# Allegro board SG2042_EVB_V1_1.brd (continued)
## Routing (per net, layer and track width the routed paths; a pad name or vN(x,y) marks a point on that pad's centre or on a via; arc(x,y) is an arc through that point) (continued)
  ART03 w0.381: 63.8,45.82 63.8,98.04 v1(63.53,98.32) ; v1(60.38,151.33) 21.49,151.33 v1(20.07,152.76)
  ART10 w0.254: v1(58.8,40.92) 62.36,44.48 62.36,64.24 v1(62.94,64.82)
  ART10 w0.381: v1(60.38,151.33) 60.38,109.32 63.32,106.38 63.32,98.53 v1(63.53,98.32)
  BOTTOM w0.381: FB2017.1 C3291.2 v1(20.07,152.76)
  vias: v1(58.8,43.51) v1(58.8,42.65) v1(58.8,41.78)
DDR23_VPP_2V5_H: length 5.9
  TOP w0.102: U59.4 52.62,48.91 52.62,48.62 53.02,48.21 57,48.21 57.1,48.31 R662.1
DDR23_VTT_0V6: length 11.5
  TOP w0.102: U57.5 53.77,107.99 53.77,107.81 54.28,107.31 54.63,107.31 54.98,106.96 55.7,106.96 55.8,106.86 R658.2
  TOP w0.254: 65.52,104.87 J3.77 ; J3.77 66.18,104.21 ; J3.77 66.85,104.87 ; 69.98,104.21 J3.221 ; J3.221 69.32,104.87 ; J3.221 70.65,104.87 ; J4.221 80.04,104.87 ; J4.221 79.38,104.21 ; J4.221 78.72,104.87 ; 75.58,104.21 J4.77 ; J4.77 74.92,104.87 ; J4.77 76.24,104.87
DDR23_VTT_0V6_H: length 8.9
  TOP w0.102: U57.4 54.12,107.99 54.12,107.76 54.36,107.52 54.71,107.52 55.07,107.16 55.7,107.16 55.8,107.26 R658.1
  TOP w0.254: U56.3 55.19,112.93 55.45,112.67
  TOP w0.508: 55.45,112.67 55.8,112.32 R660.2 C1535.1 C1536.1 C1537.1 R658.1
DDR_MPS_ALERT: length 13
  TOP w0.102: R1353.2 v1(229.36,203.38) 229.36,203.38 U53.15 ; J2014.3 TP13.1
  ART03 w0.102: v1(229.36,203.38) 229.13,203.38 224.87,207.65 J2014.3
DDR_MPS_SCL: length 11.2
  TOP w0.102: J2014.2 TP12.1 ; R1354.2 v1(228.5,203.38) 228.96,203.84 U53.14
  ART03 w0.102: v1(228.5,203.38) 226.77,205.1 J2014.2
DDR_MPS_SDA: length 10.2
  TOP w0.102: R1355.2 v1(227.63,203.38) 228.56,204.3 U53.13 ; T72.1 J2014.1
  ART03 w0.102: v1(227.63,203.38) 224.23,203.38 J2014.1
DDR_VDD_0V8: length 200.5
  TOP w0.102: U45.5 124.37,38.43 124.71,38.43 124.79,38.35 125.5,38.35 125.63,38.48 R416.2
  TOP w0.254: R394.2 126.16,41.4
  TOP w0.381: U1.AV13 v1(121.97,96.15) ; v1(122.97,114.15) U1.AA14 U1.AB15 ; U1.V13 v1(121.97,117.15) ; U1.AN43 v1(152.97,101.15) ; U1.AK42 v1(151.97,104.15) ; U1.AF44 v1(153.97,109.15) ; U1.V42 v1(151.97,117.15) ; U1.P15 v1(123.97,121.15) ; U1.AU14 v1(122.97,97.15) ; U1.AK15 v1(123.97,104.15) ; U1.P42 v1(151.97,121.15) ; U1.AD13 v1(121.97,111.15) ; U1.AR14 v1(122.97,99.15) ; U1.V15 v1(123.97,117.15) ; U1.K15 v1(123.97,125.15) ; U1.AY13 v1(121.97,94.15) ; U1.AH44 v1(153.97,107.15) ; U1.U43 v1(152.97,118.15) ; U1.BE14 v1(122.97,89.15) ; U1.AP13 v1(121.97,100.15) ; U1.K42 v1(151.97,125.15) ; U1.AM13 v1(121.97,102.15) ; U1.N43 v1(152.97,122.15) ; U1.AJ43 v1(152.97,105.15) ; U1.AB44 v1(153.97,113.15) ; U1.K13 v1(121.97,125.15) ; U1.AP44 v1(153.97,100.15) ; U1.T42 v1(151.97,119.15) ; U1.R43 v1(152.97,120.15) ; U1.AW43 v1(152.97,95.15) ; U1.AW14 v1(122.97,95.15) ; U1.AC43 v1(152.97,112.15) ; U1.AK44 v1(153.97,104.15) ; U1.P13 v1(121.97,121.15) ; U1.AY44 v1(153.97,94.15) ; U1.BA43 v1(152.97,93.15) ; U1.M44 v1(153.97,123.15) ; U1.V44 v1(153.97,117.15) ; U1.BC43 v1(152.97,91.15) ; U1.AU43 v1(152.97,97.15) ; U1.Y42 v1(151.97,115.15) ; U1.M13 v1(121.97,123.15) ; U1.Y13 v1(121.97,115.15) ; U1.BA14 v1(122.97,93.15) ; U1.M42 v1(151.97,123.15) ; U1.AB13 v1(121.97,113.15) ; U1.N14 v1(122.97,122.15) ; U1.AV44 v1(153.97,96.15) ; U1.AM44 v1(153.97,102.15) ; v1(152.97,114.15) U1.AA43 U1.AB42 ; U1.L43 v1(152.97,124.15) ; v1(152.97,110.15) U1.AE43 U1.AF42 ; U1.AH42 U1.AG43 v1(152.97,108.15) ; U1.AL43 v1(152.97,103.15) ; U1.BD13 v1(121.97,90.15) ; U1.Y15 U1.W14 v1(122.97,116.15) ; U1.AF13 v1(121.97,109.15) ; v1(122.97,110.15) U1.AE14 U1.AF15 ; U1.P44 v1(153.97,121.15) ; U1.U14 v1(122.97,118.15) ; U1.BC14 v1(122.97,91.15) ; v1(122.97,108.15) U1.AG14 U1.AH15 ; U1.M15 v1(123.97,123.15) ; U1.AD44 v1(153.97,111.15) ; U1.BB44 v1(153.97,92.15) ; U1.BD44 v1(153.97,90.15) ; U1.BB13 v1(121.97,92.15) ; U1.AL14 v1(122.97,103.15) ; U1.K44 v1(153.97,125.15) ; U1.AT44 v1(153.97,98.15) ; U1.AK13 v1(121.97,104.15) ; U1.AH13 v1(121.97,107.15) ; U1.Y44 v1(153.97,115.15) ; U1.AT13 v1(121.97,98.15) ; U1.T44 v1(153.97,119.15) ; U1.L14 v1(122.97,124.15) ; U1.AR43 v1(152.97,99.15) ; U1.AJ14 v1(122.97,105.15) ; U1.T13 v1(121.97,119.15) ; U1.T15 v1(123.97,119.15) ; U1.R14 v1(122.97,120.15) ; U1.AC14 v1(122.97,112.15) ; U1.W43 v1(152.97,116.15) ; U1.AN14 v1(122.97,101.15)
  ART10 w0.254: v1(127.97,40.03) 130.09,37.91 130.09,29.27 130.86,28.5 130.86,15.39 v1(130.1,14.63)
  BOTTOM w0.254: R429.1 v1(130.1,14.63)
  BOTTOM w0.381: C169.2 v1(153.97,100.15) C168.2 v1(152.97,99.15) ; C178.2 v1(153.97,90.15) C179.2 ; C156.2 v1(152.97,108.15) C157.2 v1(153.97,107.15) C161.2 ; C119.2 v1(121.97,98.15) C120.2 v1(122.97,97.15) ; C110.2 v1(122.97,105.15) ; v1(122.97,105.15) C113.2 v1(123.97,104.15) ; v1(122.97,105.15) C109.2 ; C90.2 v1(121.97,119.15) C88.2 v1(122.97,120.15) C89.2 v1(123.97,121.15) ; C111.2 v1(121.97,104.15) C112.2 v1(122.97,103.15) C116.2 ; v1(122.97,101.15) C115.2 v1(121.97,102.15) C114.2 ; C150.2 v1(152.97,112.15) C151.2 v1(153.97,111.15) C155.2 ; C173.2 v1(153.97,96.15) C172.2 v1(152.97,95.15) ; C143.2 v1(153.97,119.15) C139.2 v1(152.97,120.15) C138.2 v1(151.97,121.15) ; v1(151.97,125.15) C132.2 v1(152.97,124.15) C133.2 v1(153.97,123.15) C137.2 ; v1(151.97,119.15) C141.2 v1(152.97,118.15) C142.2 v1(153.97,117.15) C146.2 ; C121.2 v1(121.97,96.15) C122.2 v1(122.97,95.15) ; C96.2 v1(121.97,115.15) C94.2 v1(122.97,116.15) C95.2 v1(123.97,117.15) ; C127.2 v1(121.97,90.15) C128.2 v1(122.97,89.15) ; C159.2 v1(152.97,105.15) ; v1(152.97,105.15) C162.2 v1(151.97,104.15) ; v1(152.97,105.15) C160.2 ; v1(123.97,123.15) C86.2 v1(122.97,122.15) C85.2 v1(121.97,121.15) C87.2 ; C105.2 v1(121.97,109.15) C103.2 v1(122.97,110.15) C104.2 ; C99.2 v1(121.97,113.15) C97.2 v1(122.97,114.15) C98.2 ; C158.2 v1(153.97,109.15) C154.2 v1(152.97,110.15) C153.2 ; v1(151.97,115.15) C147.2 v1(152.97,114.15) C148.2 v1(153.97,113.15) C152.2 ; C108.2 v1(121.97,107.15) C106.2 v1(122.97,108.15) C107.2 ; v1(122.97,91.15) C126.2 v1(121.97,92.15) C125.2 ; C93.2 v1(121.97,117.15) C91.2 v1(122.97,118.15) C92.2 v1(123.97,119.15) ; C102.2 v1(121.97,111.15) C100.2 v1(122.97,112.15) C101.2 ; C164.2 v1(153.97,104.15) C163.2 v1(152.97,103.15) C165.2 ; C167.2 v1(153.97,102.15) C166.2 v1(152.97,101.15) ; C117.2 v1(121.97,100.15) C118.2 v1(122.97,99.15) ; v1(151.97,123.15) C135.2 v1(152.97,122.15) C136.2 v1(153.97,121.15) C140.2 ; C175.2 v1(153.97,94.15) C174.2 v1(152.97,93.15) ; C81.2 v1(121.97,125.15) ; v1(122.97,93.15) C124.2 v1(121.97,94.15) C123.2 ; C171.2 v1(153.97,98.15) C170.2 v1(152.97,97.15) ; v1(151.97,117.15) C144.2 v1(152.97,116.15) C145.2 v1(153.97,115.15) C149.2 ; v1(123.97,125.15) C83.2 v1(122.97,124.15) C82.2 v1(121.97,123.15) C84.2 ; v1(152.97,91.15) C176.2 v1(153.97,92.15) C177.2 ; C134.2 v1(153.97,125.15)
  vias: v1(124.47,110.65) v1(124.47,102.65) v1(125.22,40.94) v1(125.22,40.03) v1(126.14,40.94) v1(126.14,40.03) v1(127.05,40.94) v1(127.05,40.03) v1(127.97,40.94) v1(151.47,110.65) v1(151.47,102.65) v1(152.47,89.65) v1(157.71,39.52) v1(158.32,38.91) v1(158.93,38.3) v1(159.54,37.69) v1(160.15,37.08)
DDR_VDD_0V8_H: length 3.1
  TOP w0.102: U45.4 124.37,38.03 124.72,38.03 124.79,38.1 125.5,38.1 125.63,37.97 R416.1
  TOP w0.254: 123.85,35.94 R2493.1 124.31,36.4
  vias: v1(124.71,35.71) v1(124.71,34.8) v1(125.63,35.71) v1(125.63,34.8) v1(126.54,35.71) v1(126.54,34.8)
DIMM_SCL: length 299.8
  TOP w0.102: R2082.1 R2084.1 v1(215.04,45.64) ; v1(61.54,46.25) R2086.1 R2088.1 ; R2248.2 v1(26.72,152.2)
  ART10 w0.102: v1(61.54,46.25) 50.65,57.15 50.65,82.8 36.2,97.25 36.2,124.28 26.9,133.58 26.9,152.02 v1(26.72,152.2)
  BOTTOM w0.102: v1(215.04,45.64) 214.23,45.64 210.17,41.58 186.54,41.58 164.87,63.25 111.38,63.25 89.48,41.35 66.45,41.35 v1(61.54,46.25) ; R2248.2 v1(26.72,152.2)
DIMM_SDA: length 301.5
  TOP w0.102: R2085.1 R2087.1 v1(61.54,49.02) ; R2083.1 R2081.1 v1(215.04,47.47) ; R2247.2 v1(26.72,153.06)
  ART10 w0.102: v1(26.72,153.06) 27.1,152.68 27.1,133.66 36.4,124.37 36.4,97.33 50.85,82.88 50.85,59.72 v1(61.54,49.02)
  BOTTOM w0.102: R2247.2 v1(26.72,153.06) ; v1(215.04,47.47) 215.04,46.74 210.08,41.78 186.62,41.78 164.96,63.45 111.29,63.45 89.4,41.55 66.53,41.55 61.98,46.11 61.98,46.46 61.54,46.89 v1(61.54,49.02)
EMMC_CD_X: length 0.9
  TOP w0.102: R1254.1 R38.1
EMMC_CLK: length 25.4
  TOP w0.102: v1(197.13,202.77) T8.1 197.28,201.88 R36.1 ; U2.M6 v1(213.53,207.54)
  ART03 w0.102: v1(213.53,207.54) 212.53,206.54 210.05,206.54 209.94,206.64 209.94,207.01 209.84,207.11 209.59,207.11 209.49,207.01 209.49,206.64 209.39,206.54 209.13,206.54 209.03,206.64 209.03,207.01 208.93,207.11 208.67,207.11 208.57,207.01 208.57,206.64 208.47,206.54 208.22,206.54 208.12,206.64 208.12,207.01 208.01,207.11 207.76,207.11 207.66,207.01 207.66,206.64 207.56,206.54 207.3,206.54 207.2,206.64 207.2,207.01 207.1,207.11 206.85,207.11 206.74,207.01 206.74,206.64 206.64,206.54 206.39,206.54 206.29,206.64 206.29,207.01 206.19,207.11 205.93,207.11 205.83,207.01 205.83,206.64 205.73,206.54 200.9,206.54 v1(197.13,202.77)
EMMC_CMD: length 25.2
  TOP w0.102: R1246.1 v1(200.74,201.6) ; v1(214.28,207.54) 214.53,207.79 U2.M5
  ART03 w0.102: v1(200.74,201.6) 203.68,204.54 207.81,204.54 207.91,204.64 207.91,205.1 208.01,205.21 208.26,205.21 208.36,205.1 208.36,204.64 208.47,204.54 208.72,204.54 208.82,204.64 208.82,205.1 208.92,205.21 209.18,205.21 209.28,205.1 209.28,204.64 209.38,204.54 209.63,204.54 209.74,204.64 209.74,205.1 209.84,205.21 210.09,205.21 210.19,205.1 210.19,204.64 210.29,204.54 210.55,204.54 210.65,204.64 210.65,205.1 210.75,205.21 211.01,205.21 211.11,205.1 211.11,204.64 211.21,204.54 211.46,204.54 211.56,204.64 211.56,205.1 211.67,205.21 211.92,205.21 212.02,205.1 212.02,204.64 212.12,204.54 214.03,204.54 214.53,205.04 214.53,207.29 v1(214.28,207.54)
  BOTTOM w0.203: 214.53,208.15 214.53,207.79 v1(214.28,207.54)
EMMC_DAT0: length 25
  TOP w0.102: R1247.1 v1(202.46,201.6) ; U2.A3 v1(215.53,201.09)
  ART03 w0.102: v1(215.53,201.09) 215.15,201.48 212.82,201.48 212.17,202.13 207.61,202.13 207.51,202.03 207.51,201.35 207.41,201.24 207.15,201.24 207.05,201.35 207.05,202.03 206.95,202.13 206.7,202.13 206.59,202.03 206.59,201.35 206.49,201.24 206.24,201.24 206.14,201.35 206.14,202.03 206.04,202.13 205.78,202.13 205.68,202.03 205.68,201.35 205.58,201.24 205.32,201.24 205.22,201.35 205.22,202.03 205.12,202.13 204.87,202.13 204.77,202.03 204.77,201.35 204.66,201.24 204.41,201.24 204.31,201.35 204.31,202.03 204.21,202.13 203.95,202.13 203.85,202.03 203.85,201.35 203.75,201.24 203.5,201.24 203.39,201.35 203.39,202.03 203.29,202.13 203,202.13 v1(202.46,201.6)
  BOTTOM w0.102: R31.2 215.53,202.12 v1(215.53,201.09)
EMMC_DAT1: length 23.9
  TOP w0.102: U2.A4 v1(215.03,201.86) ; R1248.1 v1(201.6,201.6)
  ART03 w0.102: v1(201.6,201.6) 202.39,202.39 203.41,202.39 203.51,202.49 203.51,203.07 203.62,203.17 203.87,203.17 203.97,203.07 203.97,202.49 204.07,202.39 204.33,202.39 204.43,202.49 204.43,203.07 204.53,203.17 204.78,203.17 204.89,203.07 204.89,202.49 204.99,202.39 205.24,202.39 205.34,202.49 205.34,203.07 205.44,203.17 205.7,203.17 205.8,203.07 205.8,202.49 205.9,202.39 206.16,202.39 206.26,202.49 206.26,203.07 206.36,203.17 206.61,203.17 206.71,203.07 206.71,202.49 206.82,202.39 207.07,202.39 207.17,202.49 207.17,203.07 207.27,203.17 207.53,203.17 207.63,203.07 207.63,202.49 207.73,202.39 207.98,202.39 208.09,202.49 208.09,203.07 208.19,203.17 208.44,203.17 208.54,203.07 208.54,202.49 208.64,202.39 214.5,202.39 v1(215.03,201.86)
  BOTTOM w0.102: R32.2 215.04,201.86 v1(215.03,201.86)
EMMC_DAT2: length 26.3
  TOP w0.102: R1249.1 v1(199.87,201.6) ; U2.A5 v1(214.53,201.09)
  ART03 w0.102: v1(199.87,201.6) 200.51,200.96 207.91,200.96 208.01,201.07 208.01,201.75 208.11,201.85 208.37,201.85 208.47,201.75 208.47,201.07 208.57,200.96 208.83,200.96 208.93,201.07 208.93,201.75 209.03,201.85 209.28,201.85 209.38,201.75 209.38,201.07 209.49,200.96 209.74,200.96 209.84,201.07 209.84,201.75 209.94,201.85 210.2,201.85 210.3,201.75 210.3,201.07 210.4,200.96 210.65,200.96 210.76,201.07 210.76,201.75 210.86,201.85 211.11,201.85 211.21,201.75 211.21,201.07 211.32,200.96 211.57,200.96 211.67,201.07 211.67,201.75 211.77,201.85 212.03,201.85 212.13,201.75 212.13,201.07 212.23,200.96 214.4,200.96 v1(214.53,201.09)
  BOTTOM w0.102: v1(214.53,201.09) 214.17,201.46 R33.2
EMMC_DAT3: length 26.6
  TOP w0.089: 216.79,203.29 216.28,203.29 U2.B2
  TOP w0.102: v1(217.42,202.9) 217.03,203.29 216.79,203.29 ; R1250.1 v1(196.42,201.6)
  ART03 w0.102: v1(217.42,202.9) 217.42,202.26 217.18,202.01 217.03,202.01 216.78,202.26 216.64,202.26 216.46,202.08 216.46,201.94 216.71,201.69 216.71,201.54 215.87,200.71 197.31,200.71 v1(196.42,201.6)
  BOTTOM w0.102: v1(217.42,202.9) 217.02,202.49 R34.2
EMMC_DS: length 1.3
  TOP w0.102: U2.H5 v1(215.03,205.54)
  BOTTOM w0.102: v1(215.03,205.54) 215.04,205.54 R42.1
EMMC_PWR_EN: length 1.1
  TOP w0.102: T6.1 198.15,201.88 R1251.1
EMMC_RST_X: length 18.4
  TOP w0.102: R1252.1 v1(199.01,201.6) ; U2.K5 v1(214.03,206.54)
  ART03 w0.102: v1(199.01,201.6) 202.95,205.54 213.03,205.54 v1(214.03,206.54)
EMMC_WP: length 0.9
  TOP w0.102: R1253.1 R39.1
EN_DDR01_VDDQ_1V2: length 59.5
  TOP w0.102: R2068.2 v1(270.99,194.01) ; U53.17 230.16,204.31 v1(231.09,203.38) R1359.2
  ART03 w0.102: v1(231.09,203.38) 231.47,203 237.4,203 242.53,208.13 269.62,208.13 v1(269.8,208.31)
  ART10 w0.102: v1(270.99,194.01) 269.98,195.02 269.98,208.13 v1(269.8,208.31)
EN_DDR01_VPP_2V5: length 172
  TOP w0.102: U49.7 218.67,65.56 219.84,66.73 R457.1 R463.2 v1(221.84,66.73) ; R2072.2 v1(270.99,196.6)
  ART03 w0.102: v1(270.99,196.6) 248.87,196.6 246.99,194.72 v1(239.85,194.72)
  ART10 w0.102: v1(239.85,194.72) 239.55,194.41 239.55,191.98 239.12,191.55 239.12,185.24 237.57,183.69 237.57,125.53 231.04,119 231.04,101.19 227.1,97.25 227.1,91.47 226.42,90.78 226.42,83.24 224.76,81.59 224.76,78.53 224.1,77.87 224.1,75.55 223.66,75.1 223.66,74.26 221.92,72.52 221.92,66.8 v1(221.84,66.73)
EN_DDR01_VTT_0V6: length 119.9
  TOP w0.102: U47.7 223.03,115.07 v1(222.96,115.14) R1306.1 ; R2235.1 v1(270.99,185.37)
  ART03 w0.102: v1(270.99,185.37) 261.34,185.37 260.27,184.3 v1(222.96,184.3)
  ART10 w0.102: v1(222.96,115.14) v1(222.96,184.3)
EN_DDR23_VDDQ_1V2: length 57.9
  TOP w0.102: R2069.2 v1(270.99,193.14) ; R1358.2 v1(233.88,203.38) 232.96,204.3 U53.24
  ART03 w0.102: v1(268.94,209.17) 268.1,208.33 242.45,208.33 237.72,203.61 237.55,203.61 237.55,203.61 234.11,203.61 v1(233.88,203.38)
  ART10 w0.102: v1(268.94,209.17) 268.94,195.2 v1(270.99,193.14)
EN_DDR23_VPP_2V5: length 415
  TOP w0.102: v1(62.08,66.62) R668.2 R663.1 60.07,66.62 58.9,65.46 U58.7 ; R2073.2 v1(270.99,190.55)
  ART03 w0.102: v1(267.49,218.47) 267.11,218.85 266.45,218.85 266.09,218.49 213.55,218.49 212.48,217.42 201.9,217.42 197.07,212.6 113.49,212.6 112.19,213.89 106.46,213.89 105.17,212.6 87.23,212.6 86.68,213.16 81.64,213.16 81.03,212.55 48.82,212.55 44.37,208.1 v1(42.95,208.1)
  ART10 w0.102: v1(62.08,66.62) 60.02,68.68 60.02,74.22 59.56,74.68 59.56,78.48 60.15,79.06 60.15,82.99 43.26,99.88 43.26,179.78 42.6,180.44 42.6,207.75 v1(42.95,208.1) ; v1(270.99,190.55) 267.26,194.28 267.26,218.24 v1(267.49,218.47)
EN_DDR23_VTT_0V6: length 362.5
  TOP w0.102: U56.7 55.69,117.33 v1(55.63,117.4) R1305.1 ; R2236.1 v1(270.99,184.51)
  ART03 w0.102: v1(266.62,218.47) 266.45,218.29 213.63,218.29 212.56,217.22 201.98,217.22 197.15,212.39 113.4,212.39 112.11,213.69 106.55,213.69 105.25,212.39 87.15,212.39 86.59,212.95 81.73,212.95 81.12,212.34 48.9,212.34 45.06,208.5 v1(45.06,208.1)
  ART10 w0.102: v1(270.99,184.51) 266.85,188.65 266.85,218.24 v1(266.62,218.47) ; v1(45.06,208.1) 45.06,195.73 44.42,195.1 44.42,192.18 43.61,191.36 43.61,180.86 44.27,180.2 44.27,127.81 54.69,117.4 v1(55.63,117.4)
EN_DDR_VDD_0V8: length 250.2
  TOP w0.102: U37.24 v1(54.36,196.05) ; R2077.2 v1(270.99,198.32)
  ART03 w0.102: v1(270.79,212.62) 270.41,213 252.99,213 252.66,213.33 227.71,213.33 226.62,212.24 203.06,212.24 199.76,208.94 85.71,208.94 85.16,209.5 83.16,209.5 82.19,208.53 56.79,208.53 51.05,202.8 51.05,198.38 53.38,196.05 v1(54.36,196.05)
  ART10 w0.102: v1(270.99,198.32) 270.41,198.91 270.41,212.24 v1(270.79,212.62)
  BOTTOM w0.102: v1(54.36,196.05) 54.37,196.04 R1365.2
EN_VDD_3V3: length 235.8
  TOP w0.102: R2097_NC.1 v1(270.99,186.23)
  ART03 w0.102: v1(86.03,226.34) 89.33,229.64 136.47,229.64 139.73,232.89 252.58,232.89 253.72,231.75 255.73,231.75 258.88,228.6 v1(268.45,228.6)
  ART10 w0.102: v1(268.45,228.6) 267.06,227.2 267.06,190.17 v1(270.99,186.23)
  BOTTOM w0.102: U25.5 86.77,224.21 86.11,224.87 R2103.1 R334.1 v1(86.03,226.34)
EN_VDD_PCIE_D_0V8: length 382.4
  TOP w0.102: v1(145.11,27.53) R679.2 R674.1 145.11,29.69 143.94,30.86 U60.7 ; R2058.1 v1(246.91,198.45)
  ART03 w0.102: v1(246.91,198.45) 247.75,199.29 265.44,199.29 266.23,200.08 284.32,200.08 284.98,199.42 285.62,199.42 v1(286,199.8)
  ART10 w0.102: v1(286,199.8) 286.38,199.42 286.38,178.36 287.75,176.99 287.75,175.04 292.02,170.76 292.02,143.74 293.4,142.37 293.4,119.38 296.95,115.83 296.95,34.73 274.59,12.36 206.78,12.36 205.14,14.01 175.17,14.01 174.62,13.46 159.13,13.46 145.11,27.48 v1(145.11,27.53)
EN_VDD_PCIE_H_1V8: length 367.1
  TOP w0.102: R2060.1 v1(246.91,199.31)
  ART03 w0.102: v1(285.14,199.8) 284.66,200.28 266.14,200.28 265.35,199.49 247.09,199.49 v1(246.91,199.31)
  ART10 w0.102: v1(285.14,199.8) 284.73,199.39 284.73,197.46 285.19,197 285.19,194.28 284.89,193.97 284.89,175.9 290.6,170.19 290.6,156.24 291.21,155.63 291.21,143.4 292.58,142.03 292.58,119.05 296.14,115.49 296.14,35.06 274.25,13.18 207.12,13.18 205.48,14.82 174.83,14.82 174.28,14.27 166.6,14.27 v1(156.29,24.59)
  BOTTOM w0.102: U28.5 155.55,26.72 156.21,26.06 R2099.1 R341.1 v1(156.29,24.59)
EN_VDD_PLL_0V8: length 378.6
  TOP w0.102: R2059.1 v1(246.91,197.59)
  ART03 w0.102: v1(286,198.83) 285.62,199.21 284.9,199.21 284.24,199.87 266.31,199.87 265.52,199.09 248.41,199.09 v1(246.91,197.59)
  ART10 w0.102: v1(286,198.83) 286.18,198.65 286.18,178.27 287.55,176.91 287.55,174.95 291.82,170.68 291.82,143.66 293.19,142.28 293.19,119.3 296.75,115.74 296.75,34.81 274.5,12.57 206.87,12.57 205.22,14.21 175.08,14.21 174.53,13.67 160.76,13.67 147.75,26.67 v1(147.75,27.51)
  BOTTOM w0.102: v1(147.75,27.51) R307.1 R2098.1 147.68,28.98 147.02,29.64 U19.5
EN_VDDC: length 245.9
  TOP w0.102: U37.17 v1(54.36,198.85) ; R2076.2 v1(270.99,199.19)
  ART03 w0.102: v1(270.79,211.76) 270.36,212.19 266.34,212.19 265.94,212.6 252.82,212.6 252.49,212.93 227.88,212.93 226.79,211.84 203.23,211.84 199.93,208.53 85.55,208.53 84.99,209.09 83.33,209.09 82.36,208.13 56.96,208.13 51.46,202.63 51.46,199.12 51.81,198.77 54.28,198.77 v1(54.36,198.85)
  ART10 w0.102: v1(270.79,211.76) 270.61,211.58 270.61,199.57 v1(270.99,199.19)
  BOTTOM w0.102: R1366.2 54.37,198.86 v1(54.36,198.85)
EN_VDDIO18: length 368.7
  TOP w0.102: R2056.1 v1(246.91,196.72) ; v1(154.81,24.59) R354.1 R2100.1 154.89,26.06 155.55,26.72 U31.5
  ART03 w0.102: v1(246.91,196.72) 249.07,198.88 265.61,198.88 266.4,199.67 284.15,199.67 284.99,198.83 v1(285.14,198.83)
  ART10 w0.102: v1(285.14,198.83) 285.14,197.34 285.39,197.09 285.39,194.19 285.09,193.89 285.09,175.99 290.8,170.27 290.8,156.33 291.41,155.72 291.41,143.49 292.79,142.12 292.79,119.13 296.34,115.57 296.34,34.98 274.34,12.97 207.03,12.97 205.39,14.62 174.91,14.62 174.37,14.07 165.33,14.07 v1(154.81,24.59)
EN_VDDIO33: length 164.7
  TOP w0.102: v1(143.51,229.03) R1349.1 R2101.1 143.43,227.56 142.77,226.9 U816.5 ; R2057.1 v1(270.99,197.46)
  ART03 w0.102: v1(270.21,228.04) 255.4,228.04 252.12,231.32 144.86,231.32 143.51,229.97 v1(143.51,229.03)
  ART10 w0.102: v1(270.99,197.46) 270.21,198.25 v1(270.21,228.04)
EN_VQPS18: length 357.8
  TOP w0.102: R2054.1 v1(270.99,187.96)
  ART03 w0.102: v1(285.47,176.89) 278.43,183.92 275.03,183.92 v1(270.99,187.96)
  ART10 w0.102: v1(136.14,47.65) 137.34,47.65 144.3,40.69 147.12,40.69 149.78,38.02 149.78,26.9 162.81,13.87 174.45,13.87 175,14.41 205.31,14.41 206.95,12.77 274.42,12.77 296.55,34.9 296.55,115.66 292.99,119.21 292.99,142.2 291.62,143.57 291.62,155.8 291.01,156.41 291.01,170.36 285.47,175.9 v1(285.47,176.89)
  BOTTOM w0.102: R257.1 v1(136.14,47.65)
FAN0: length 155.5
  TOP w0.102: U1.F16 v1(124.97,129.15) ; R2468.1 v1(15.67,193.4)
  ART03 w0.102: J2020.4 13.34,191.06 v1(15.67,193.4) 17.5,193.4 26.9,184 v1(52.1,184)
  ART10 w0.102: v1(52.1,184) 56.56,179.54 57.26,179.54 59.61,177.19 78.51,177.19 107.06,148.64 117.22,148.64 126.79,139.08 126.79,133.87 125.35,132.44 125.35,129.53 v1(124.97,129.15)
FAN1: length 166.7
  TOP w0.102: U1.H20 v1(128.97,127.15)
  ART10 w0.102: J2020.6 8.89,186.41 8.89,173.05 v1(8.46,172.62)
  BOTTOM w0.102: v1(8.46,172.62) 8.84,173 18.02,173 19.93,174.9 45.72,174.9 47.73,176.91 61.45,176.91 62.12,177.58 87.11,177.58 129.59,135.1 129.59,127.77 v1(128.97,127.15)
FAN2: length 162.2
  TOP w0.102: v1(47.04,177.7) 47.83,176.91 61.27,176.91 61.96,177.6 81.07,177.6 90.67,168 91.75,168 105.62,154.13 124.3,154.13 125.47,152.96 U1.A16
  ART10 w0.102: v1(8.46,173.74) 8.46,184.3 J2020.8
  BOTTOM w0.102: v1(8.46,173.74) 8.99,173.2 17.94,173.2 19.85,175.11 44.45,175.11 v1(47.04,177.7)
FAN3: length 154.2
  TOP w0.102: U1.J18 v1(126.97,126.15)
  ART03 w0.102: J2020.10 6.86,183.51 v1(55.22,183.51)
  ART10 w0.102: v1(126.97,126.15) 126.59,126.53 126.59,132.46 127.51,133.38 127.51,139.21 117.48,149.25 107.31,149.25 78.76,177.8 59.86,177.8 57.51,180.15 57.29,180.15 55.22,182.22 v1(55.22,183.51)
FAN_PWM: length 5.8
  TOP w0.102: J2017.4 153.22,6.35 R577.1 153.21,8.47 Q2002.3
FAN_SG2042: length 22.7
  TOP w0.102: U2011.4 v1(16.29,191.96) 16.29,192.57 R2468.2
  ART03 w0.102: v1(16.29,191.96) 14.39,190.07 5.23,190.07 J2020.3
  ART10 w0.102: J2020.9 J2020.7 J2020.5 J2020.3
FAN_SG2042_H: length 306.7
  TOP w0.102: R2363.2 R2429.1 152.48,11.28 Q2004.3 v1(144.45,11.27) ; R2428.2 v1(16.61,181.99)
  ART10 w0.102: v1(144.45,11.27) 144.01,11.71 111.33,11.71 109.58,13.46 30.99,13.46 9.93,34.52 9.93,112.09 10.87,113.03 10.87,131.89 16.48,137.51 16.48,153.07 17.14,153.73 17.14,175.35 17.27,175.48 17.27,181.33 v1(16.61,181.99)
FAN_SPEED: length 22
  TOP w0.102: R2363.1 R2431.1 R2433.2 158.17,7.59 J2017.3 159.41,5.69 160.63,4.47 170.41,4.47 J2008.3
FAULT: length 135.1
  TOP w0.102: R392.1 v1(66.32,197.82)
  TOP w0.203: U39.36 147.36,201.36 147.27,201.45 147.27,202.13 v1(147.7,202.56) ; U34.36 177.53,201.36 177.44,201.45 177.44,202.13 v1(177.88,202.56) ; v1(97.41,202.56) 96.98,202.13 96.98,201.45 97.06,201.36 U44.36 ; v1(157.76,202.56) 157.33,202.13 157.33,201.45 157.41,201.36 U36.36 ; v1(127.58,202.56) 127.15,202.13 127.15,201.45 127.24,201.36 U38.36 ; v1(167.82,202.56) 167.39,202.13 167.39,201.45 167.47,201.36 U35.36 ; v1(137.64,202.56) 137.21,202.13 137.21,201.45 137.3,201.36 U40.36 ; U41.36 107.12,201.36 107.04,201.45 107.04,202.13 v1(107.47,202.56) ; v1(117.53,202.56) 117.09,202.13 117.09,201.45 117.18,201.36 U42.36
  BOTTOM w0.102: v1(177.88,202.56) 177.44,203 168.25,203 v1(167.82,202.56) 167.39,203 158.19,203 v1(157.76,202.56) 157.33,203 148.13,203 v1(147.7,202.56) 147.27,203 138.07,203 v1(137.64,202.56) 137.21,203 128.02,203 v1(127.58,202.56) 127.15,203 117.96,203 v1(117.53,202.56) 117.09,203 107.9,203 v1(107.47,202.56) 107.04,203 97.84,203 v1(97.41,202.56) 94.82,202.56 94.26,203.12 71.63,203.12 v1(66.32,197.82)
FAULT_DDR: length 326.1
  TOP w0.102: R481.1 v1(65.71,199.31)
  TOP w0.203: v1(125.96,13.97) 126.39,14.4 126.39,15.09 126.3,15.17 U43.36
  ART03 w0.102: v1(37.06,191.97) 37.9,191.13 50.85,191.13 54.23,194.51 60.91,194.51 v1(65.71,199.31)
  ART10 w0.102: v1(37.06,191.97) 37.06,191.57 21.06,175.56 21.06,138.21 12.45,129.6 12.45,112.37 11.51,111.43 11.51,35.17 31.64,15.04 110.23,15.04 111.98,13.28 125.27,13.28 v1(125.96,13.97)
FAULT_DDR01_VDDQ_1V2: length 158.9
  TOP w0.102: R634.1 v1(231.19,217.09)
  TOP w0.203: v1(220.57,73.41) 221.01,73.84 221.01,74.52 220.92,74.61 U54.36
  ART10 w0.102: v1(231.19,217.09) 239.24,209.04 239.24,204.54 238.23,203.52 238.23,198.35 239.34,197.23 239.34,192.07 238.91,191.63 238.91,185.33 237.36,183.78 237.36,125.61 230.84,119.08 230.84,101.27 226.9,97.33 226.9,91.55 226.21,90.86 226.21,83.32 224.56,81.67 224.56,78.61 223.9,77.95 223.9,75.63 221.67,73.41 v1(220.57,73.41)
FAULT_DDR23_VDDQ_1V2: length 346.9
  TOP w0.102: R635.1 v1(229.49,221.87)
  TOP w0.203: U55.36 56.38,75.22 56.46,75.13 56.46,74.45 v1(56.03,74.02)
  ART03 w0.102: v1(45.36,213.49) 46.66,214.78 80.1,214.78 80.71,215.39 87.6,215.39 88.16,214.83 104.24,214.83 105.53,216.13 113.12,216.13 114.42,214.83 172.03,214.83 177.7,220.5 211.8,220.5 213.35,222.05 229.31,222.05 v1(229.49,221.87)
  ART10 w0.102: v1(45.36,213.49) 45.36,211.05 42.39,208.08 42.39,180.36 43.05,179.7 43.05,99.8 59.94,82.91 59.94,79.15 59.36,78.56 59.36,76.24 57.13,74.02 v1(56.03,74.02)
